# Altium PCB Copy of GameBoard_V1I1_083018.PcbDoc (part 10 of 21)
Units mil, origin at the board's own origin, x right, y up, seen from the top; angles counter-clockwise.
Board outline 7165.35 x 2763.78 mil, 12 copper layers (L1, L2, L3, L4, L5 (PWR), L6 (PWR), L7 (PWR), L8 (PWR), L9, L10, L11, L12), stack 61.575 mil thick; 1542 components, 1068 nets, 5447 pads, 3797 vias.
Unrouted connection lines stored in the file: 105.
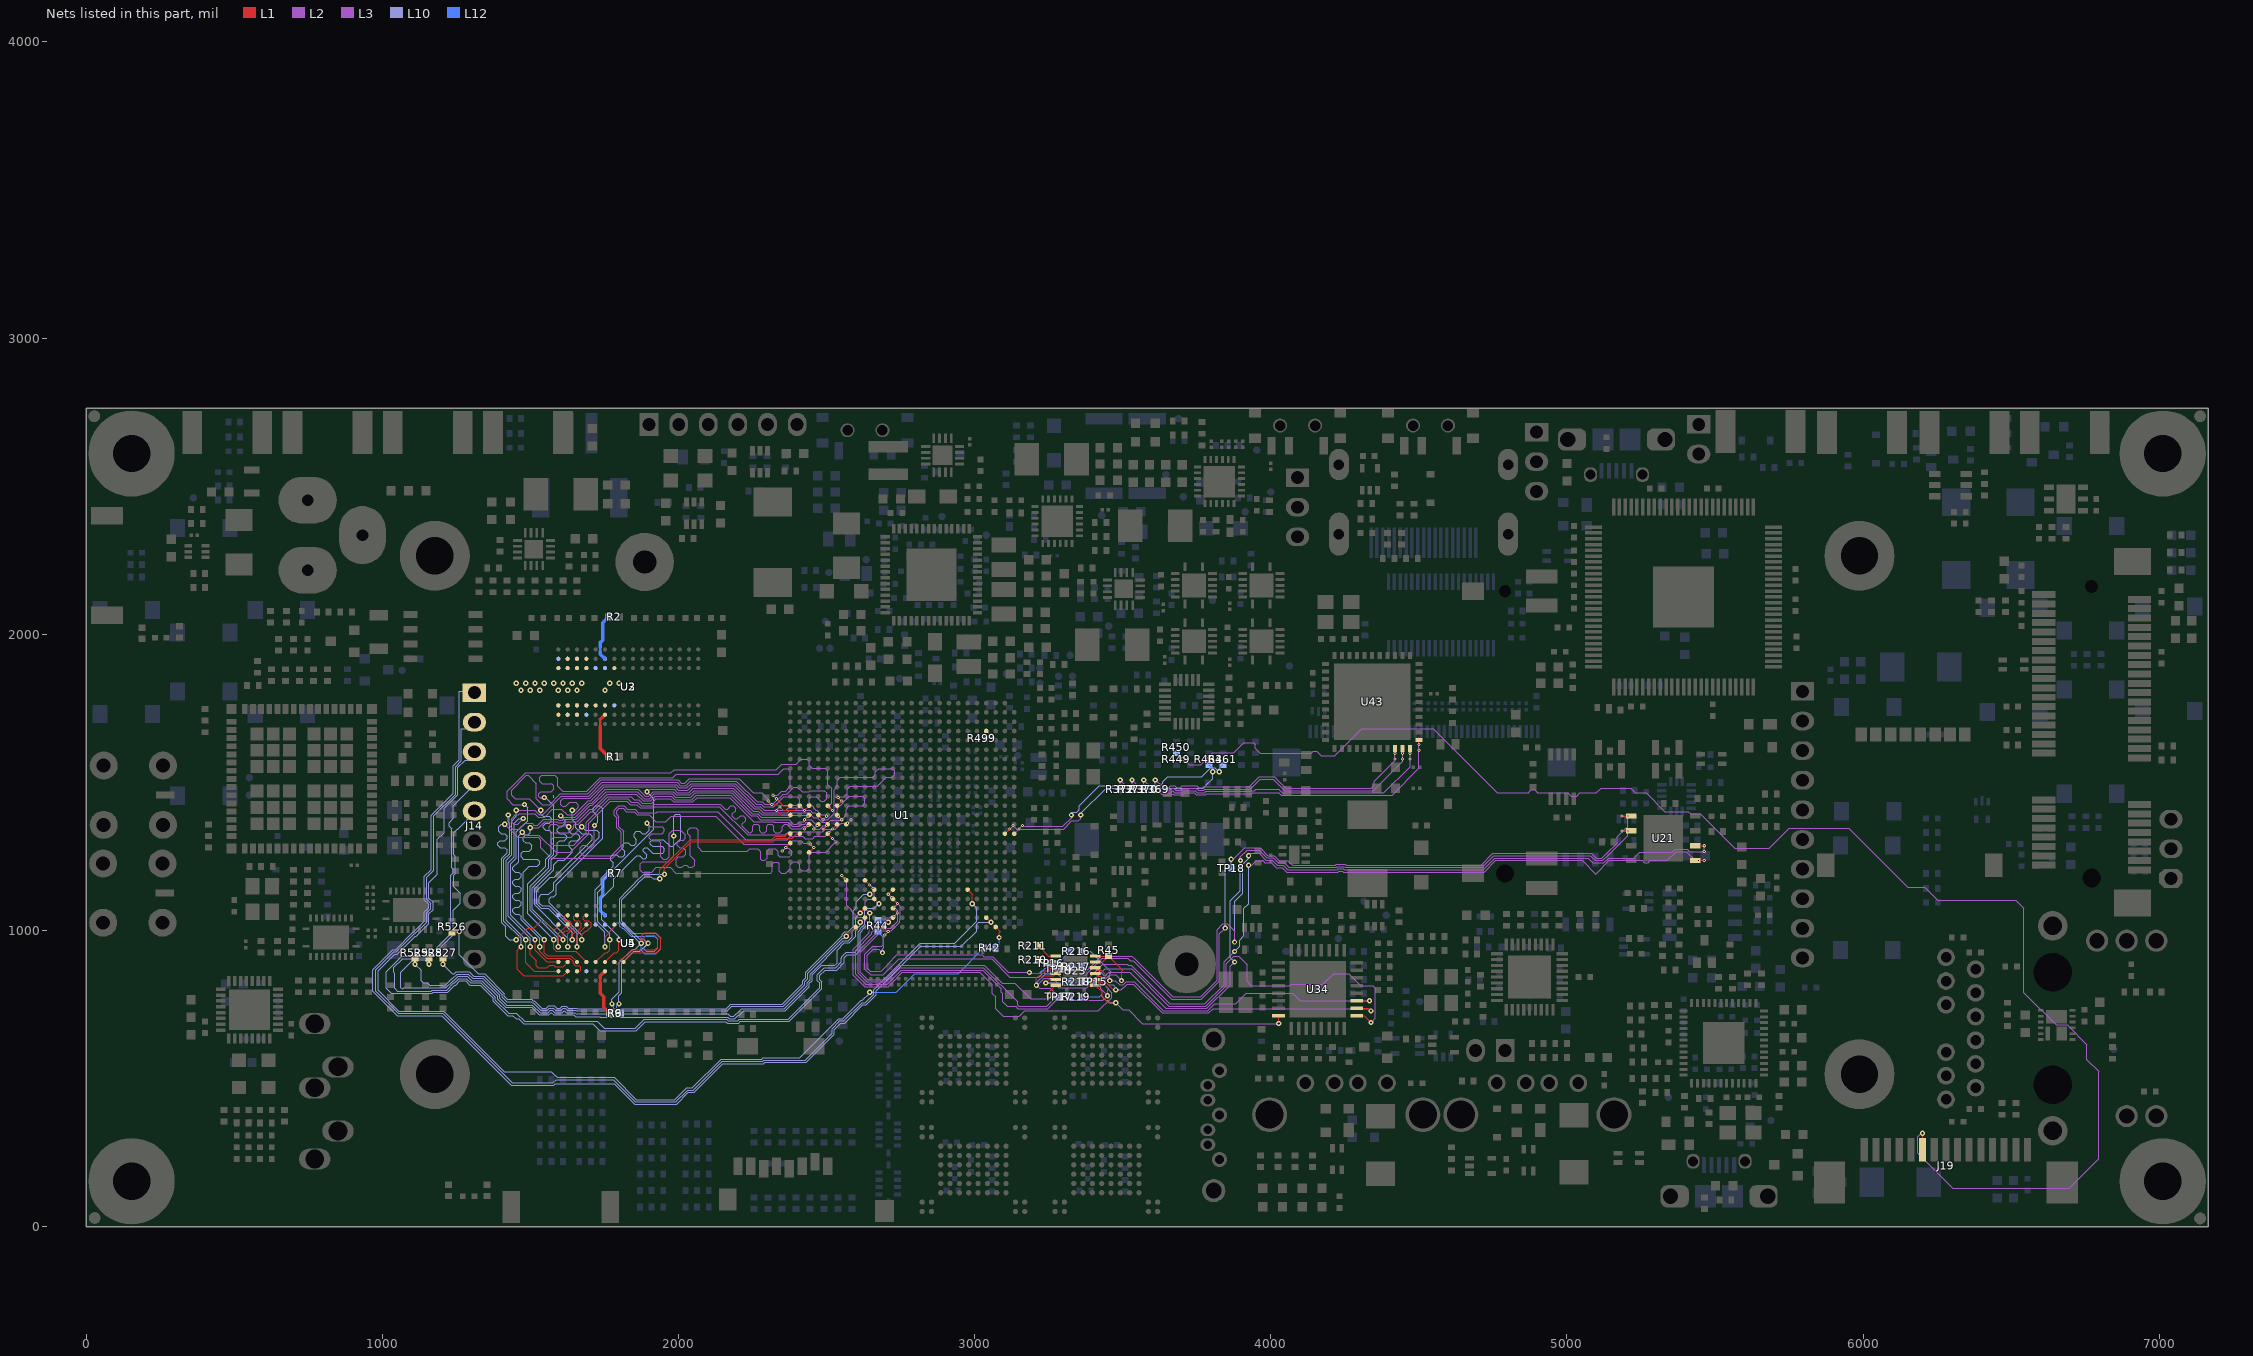
[diagram p20: the nets of this part, all layers, seen from the top]

## Via types
v1: diameter 17.72, hole 7.87, L1 to L12, 1936 vias
v2: diameter 17.72, hole 7.87, L1 to L12, tented both sides, 999 vias
v3: diameter 10.63, hole 3.94, L1 to L2, 337 vias
v4: diameter 10.63, hole 3.94, L2 to L3, 335 vias
v5: diameter 10.63, hole 3.94, L10 to L11, 96 vias
v6: diameter 10.63, hole 3.94, L11 to L12, 94 vias

## Nets (pads, with @x,y where several pads share a name; then routed paths per layer and width w, separated by ;. In a path a pad name is that pad's centre, name@x,y a point inside that pad or via, vN(x,y) a via of type N, cw(c..) or ccw(c..) an arc to the next point about the centre after c; other vN are vias at no path point) (continued)
CSI_D1_R_P: J19.6 R449.2 R450.2 | length 5121.3
  L1 w3.94: J19.6@6200.79,259.84 v1(6200.79,314.96)
  L3 w3.94: v1(3704.72,1578.74) 3724.41,1559.06 3763.78,1559.06 3804.78,1600.06 3875.65,1600.06 3909.45,1633.86 3942.14,1633.86 3947.83,1628.16 3947.83,1615.83 3965.24,1598.43 4136.6,1598.43 4143.49,1605.31 4155.72,1605.31 4170.49,1590.55 4215.86,1590.55 4306.41,1681.1 4547.92,1681.1 4764.46,1464.57 4871.06,1464.57 4871.06,1466.75 4879.71,1475.39 4891.94,1475.39 4900.59,1466.75 4900.59,1464.57 5003.42,1464.57 5014.25,1453.74 5033,1453.74 5043.83,1464.57 5099.66,1464.57 5115.41,1480.31 5215.18,1480.31 5230.93,1464.57 5267.72,1464.57 5330.71,1401.57 5409.45,1401.57 5417.32,1393.7 5449.49,1393.7 5565.85,1277.35 5682.86,1277.35 5685.04,1279.53 5750,1344.49 5951.46,1344.49 6150.28,1145.67 6208.66,1145.67 6251.97,1102.36 6515.75,1102.36 6543.31,1074.8 6543.31,789.99 6652.19,681.1 6688.98,681.1 6755.91,614.17 6755.91,563.67 6795.28,524.3 6795.28,228.35 6696.85,129.92 6303.15,129.92 6185.04,248.03 6185.04,303.15 6196.85,314.96 v1(6200.79,314.96)
  L12 w3.94: R449.2@3681.1,1598.43 3685.04,1598.43 v1(3704.72,1578.74)
CSI_GPIO0: R461.1 U1.A15 | length 845.3
  L1 w3.94: U1.A15@3133.86,1326.77 v3(3149.61,1342.52)
  L3 w3.94: v4(3161.42,1354.33) 3164.37,1351.38 3298.23,1351.38 3330.71,1383.86 3326.77,1387.8 v2(3326.77,1389.76)
  L10 w3.94: v2(3326.77,1389.76) 3326.77,1394.89 3330.5,1398.62 3344.7,1398.62 3353.35,1407.27 3353.35,1421.47 3420.07,1488.19 3625.98,1488.19 3634.84,1497.05 3634.84,1502.18 3652.35,1519.68 3767.51,1519.68 3798.02,1550.2 3811.02,1550.2 v1(3825.79,1535.43)
  L2 w3.94: v3(3149.61,1342.52) v4(3161.42,1354.33)
  L12 w3.94: v1(3825.79,1535.43) 3825.79,1546.26 R461.1@3838.58,1559.06
CSI_GPIO1: R463.1 U1.B15 | length 850.8
  L1 w3.94: U1.B15@3102.36,1326.77 v3(3118.11,1342.52)
  L3 w3.94: v4(3129.92,1354.33) 3141.73,1342.52 3300.51,1342.52 3328.06,1370.08 3350.39,1370.08 3358.27,1377.95 v2(3358.27,1389.76)
  L10 w3.94: v2(3358.27,1389.76) 3358.27,1394.89 3443.69,1480.31 3772.85,1480.31 3782.48,1489.95 3782.48,1491.14 3804.13,1512.8 v1(3804.13,1535.43)
  L2 w3.94: v3(3118.11,1342.52) v4(3129.92,1354.33)
  L12 w3.94: R463.1@3791.34,1559.06 3804.13,1546.26 v1(3804.13,1535.43)
CSI_REXT: R499.2 U1.D4 | length 46.6
  L1 w3.66: U1.D4@3039.37,1673.23 v1(3055.12,1657.48)
  L12 w3.66: R499.2@3034.06,1649.61 3041.93,1657.48 v1@3055.12,1657.48
CSPI1_CLK: J14.3 R42.2 | length 3394.1
  L10 w3.66: J14.3@1330.71,1607.09 1298.43,1574.8 1279.53,1574.8 1254.94,1550.22 1254.94,1457.44 1209.63,1412.13 1209.63,1330.71 1186.16,1307.24 1186.16,1190.1 1157.48,1161.42 1157.48,1109.1 1171.56,1095.03 1171.56,1070.32 1157.48,1056.25 1157.48,1022.99 1115.2,980.71 1111.5,980.71 1051.14,920.35 1042.46,920.35 985.74,863.63 985.74,798.4 1056.34,727.8 1207.08,727.8 1411.26,523.62 1569.87,523.62 1584.49,509 1585.49,509 1590.55,503.94 1783.28,503.94 1858.09,429.13 1988.19,429.13 2027.56,468.5 2047.24,468.5 2144.1,565.36 2281.15,565.36 2285.43,569.63 2409.51,569.63 2541.79,701.91 2554.82,701.91 2616.83,763.92 2621.31,763.92 2645.67,788.27 v1(2645.67,791.34)
  L12 w3.66: v1(2645.67,791.34) 2734.83,791.34 2797.69,854.19 2944.74,854.19 R42.2@3031.5,940.94
CSPI1_CLK_R: R42.1 U1.C25 | length 89.5
  L1 w3.66: U1.C25@3070.87,1011.81 3086.61,996.06 3082.68,992.13 v1(3082.68,976.38)
  L12 w3.66: R42.1@3070.87,933.07 R42.1@3074.8,937.01 ; R42.1@3070.87,940.94 3082.68,952.76 v1(3082.68,976.38)
CSPI1_CS0: J14.4 U1.U20 | length 3037.6
  L1 w3.66: U1.U20@2629.92,1169.29 v3(2645.67,1153.54)
  L3 w3.94: v2(2645.67,1059.06) 2630.91,1073.82 2630.91,1096.67 2639.55,1105.31 2652.56,1105.31 2661.42,1114.17 2661.42,1137.8 v4(2657.48,1141.73)
  L10 w3.94: J14.4@1311.02,1503.15 1311.02,1491.45 1240.16,1420.58 1240.16,1379.15 1225.39,1364.38 1225.39,1352.15 1230.96,1346.58 1233.84,1343.71 1233.84,1212.24 1239.17,1206.9 1239.17,1194.67 1231.46,1186.96 1231.46,989.09 1158.43,916.06 1097.71,916.06 1094.26,912.61 1065.48,912.61 1012.8,859.93 1012.8,805.43 1030.82,787.4 1167.97,787.4 1171.49,790.93 1192.65,790.93 1192.93,790.65 1221.01,790.65 1245.32,814.96 1247.51,814.96 1262.28,829.72 1281.03,829.72 1295.79,814.96 1330.03,814.96 1374.13,770.86 1374.13,761.5 1423.03,712.6 1440.53,712.6 1451.67,701.46 1460.63,701.46 1477.05,685.04 1710.69,685.04 1734.31,661.42 1857.75,661.42 1887.99,691.65 2160.35,691.65 2165.43,686.57 2203,686.57 2209.34,692.91 2374.02,692.91 2470.75,789.64 2470.75,789.77 2484.25,803.28 2484.25,827.29 2477.36,834.18 2477.36,848.64 2495.01,866.28 2534.03,866.28 2560.04,892.29 2560.04,907.69 2570.66,918.31 2598.73,918.31 2614.17,933.75 2614.17,991.87 2621.36,999.05 2621.36,1003.25 2623.03,1004.92 2623.55,1004.92 2645.67,1027.04 v2(2645.67,1059.06)
  L2 w3.94: v3(2645.67,1153.54) v4(2657.48,1141.73)
CSPI1_CS1: J14.5 U1.T22 | length 2845.3
  L1 w3.94: U1.T22@2661.42,1106.3 v2(2677.17,1090.55)
  L10 w3.94: J14.5@1311.02,1403.15 1311.02,1397.64 1254.92,1341.54 1253.73,1341.54 1241.71,1329.52 1241.71,1256 1247.05,1250.67 1247.05,1191.41 1241.71,1186.08 1241.71,1147.07 1262.8,1125.98 1262.8,1092.31 1239.33,1068.85 1239.33,985.83 1161.69,908.19 1100.97,908.19 1097.52,904.74 1068.74,904.74 1039.37,875.37 1039.37,859.46 1042.32,856.51 1042.32,804.13 1051.18,795.28 1164.7,795.28 1168.23,798.8 1195.91,798.8 1196.19,798.52 1217.75,798.52 1242.06,822.83 1244.25,822.83 1259.02,837.6 1284.29,837.6 1299.06,822.83 1333.29,822.83 1382.01,774.12 1382.01,764.76 1426.3,720.47 1452.76,720.47 1480.32,692.91 1725.09,692.91 1748.71,669.29 1854.49,669.29 1884.72,699.53 2163.61,699.53 2168.69,694.45 2199.74,694.45 2206.08,700.79 2370.08,700.79 2476.38,807.09 2476.38,822.83 2468.5,830.71 2468.5,850.91 2491.75,874.15 2530.76,874.15 2550.2,893.59 2550.2,905.51 2552.17,907.48 2552.17,910.95 2567.39,926.18 2595.47,926.18 2606.3,937.01 2606.3,995.13 2613.48,1002.31 2613.48,1006.51 2619.77,1012.8 2620.29,1012.8 2628.94,1021.44 2628.94,1065.95 2637.8,1074.8 2661.42,1074.8 v2(2677.17,1090.55) ; J14.5@1318.9,1395.28 J14.5@1330.71,1407.09
CSPI1_MISO: J14.2 U1.F21 | length 3681.1
  L1 w3.66: U1.F21@2976.38,1137.8 2992.13,1122.05 v2(2992.13,1090.55)
  L10 w3.66: J14.2@1330.71,1707.09 1304.72,1681.1 1267.3,1681.1 1267.3,1573.32 1247.34,1553.36 1247.34,1460.59 1173.23,1386.48 1173.23,1202.46 1149.88,1179.11 1149.88,1105.96 1163.96,1091.88 1163.96,1073.47 1149.88,1059.4 1149.88,1028.17 1110.02,988.31 1108.35,988.31 1047.99,927.95 1039.31,927.95 978.14,866.77 978.14,795.25 1053.2,720.2 1203.93,720.2 1438.76,485.37 1575.99,485.37 1586.96,496.34 1780.14,496.34 1854.94,421.54 1991.34,421.54 2030.71,460.91 2050.39,460.91 2147.25,557.76 2284.3,557.76 2288.57,562.03 2428.18,562.03 2518.68,652.54 2518.68,668.06 2544.93,694.31 2557.97,694.31 2619.98,756.32 2631.33,756.32 2660.3,785.28 2660.3,797.4 2659.95,797.74 2659.95,799.55 2817.09,956.69 2933.07,956.69 3007.87,1031.5 3007.87,1074.8 v2(2992.13,1090.55)
CSPI1_MOSI: J14.1 U1.D24 | length 3779.2
  L1 w3.66: U1.D24@3039.37,1043.31 v2(3055.12,1027.56)
  L10 w3.66: J14.1@1330.71,1807.09 1259.7,1807.09 1259.7,1576.47 1239.74,1556.51 1239.74,1463.74 1165.22,1389.21 1165.22,1205.19 1142.28,1182.26 1142.28,1101.75 1146.73,1097.3 1147.79,1097.3 1156.36,1088.74 1156.36,1076.62 1147.79,1068.05 1146.73,1068.05 1142.28,1063.6 1142.28,1031.32 1106.87,995.91 1105.21,995.91 1044.84,935.54 1036.17,935.54 968.5,867.88 968.5,794.14 1050.05,712.6 1200.79,712.6 1435.61,477.78 1579.14,477.78 1584.49,483.13 1592.09,483.13 1782.6,483.13 1851.79,413.94 1994.48,413.94 2033.85,453.31 2053.54,453.31 2150.39,550.16 2287.45,550.16 2291.72,554.44 2431.32,554.44 2526.28,649.39 2526.28,664.91 2548.08,686.71 2561.12,686.71 2623.13,748.72 2634.48,748.72 2667.89,782.13 2667.89,796.75 2817.4,946.26 2955.63,946.26 3007.46,998.09 3007.46,1020.34 3014.68,1027.56 v2(3055.12,1027.56)
CSPI2_RXD: R529.1 U1.U23 | length 1886.8
  L1 w3.66: v2(2614.17,1059.06) U1.U23@2629.92,1074.8
  L1 w3.94: v1(1110.24,885.83) R529.1@1110.24,909.45
  L10 w3.66: v1(1110.24,885.83) 1131.04,865.02 1131.04,830.71 1137.8,823.96 1151.32,823.96 1161.42,813.86 1161.6,813.86 1161.88,814.13 1202.26,814.13 1202.54,813.86 1211.4,813.86 1235.71,838.17 1237.9,838.17 1252.66,852.93 1290.64,852.93 1305.41,838.17 1339.65,838.17 1397.34,780.47 1397.34,771.11 1420.7,747.76 1507.08,747.76 1532.69,722.15 1559.6,722.15 1567.72,730.27 1574.01,730.27 1582.14,722.15 1606.84,722.15 1614.17,729.48 1621.51,722.15 1650.24,722.15 1654.45,717.93 2166.89,717.93 2175.04,709.78 2187.16,709.78 2195.73,718.35 2195.73,719.37 2196.75,719.37 2213.32,735.94 2356.93,735.94 2434.47,813.49 2434.47,824.17 2444.43,834.13 2444.43,852.82 2557.31,965.69 2572.99,965.69 2586.61,979.32 2586.61,997.13 2598.15,1008.66 2598.15,1043.03 v2(2614.17,1059.06)
CSPI2_TXC: R526.1 U1.T21 | length 1827.8
  L1 w3.66: v2(2645.67,1122.05) U1.T21@2661.42,1137.8
  L1 w3.94: R526.1@1236.22,996.06 v1(1259.84,996.06)
  L10 w3.66: v1(1259.84,996.06) 1259.84,917.38 1323.86,853.37 1345.94,853.37 1412.54,786.77 1412.54,777.41 1422.23,767.72 1503.94,767.72 1508.7,762.95 1513.38,762.95 1538.99,737.34 1553.3,737.34 1561.42,745.46 1580.31,745.46 1588.43,737.34 1600.55,737.34 1607.88,744.67 1620.47,744.67 1627.8,737.34 1656.53,737.34 1657.93,735.94 2161.21,735.94 2176.4,751.14 2350.63,751.14 2419.27,819.78 2419.27,830.46 2429.24,840.43 2429.24,859.11 2552.3,982.18 2552.3,986.37 2560.87,994.94 2573.68,994.94 2590.55,1011.81 2590.55,1066.93 2599.55,1075.93 2599.55,1096.61 2624.99,1122.05 v2(2645.67,1122.05)
CSPI2_TXD: R528.1 U1.U24 | length 2053.6
  L1 w3.66: v2(2614.17,1027.56) U1.U24@2629.92,1043.31
  L1 w3.94: v1(1157.48,885.83) R528.1@1157.48,909.45
  L10 w3.66: v1(1157.48,885.83) 1142.85,900.45 1104.18,900.45 1062.99,859.27 1062.99,807.09 1067.07,803.01 1069.21,803.01 1072.46,806.26 1164.75,806.26 1165.02,806.54 1199.12,806.54 1199.39,806.26 1214.54,806.26 1238.86,830.57 1241.05,830.57 1255.81,845.33 1287.5,845.33 1302.26,830.57 1336.5,830.57 1389.74,777.33 1389.74,767.96 1417.55,740.16 1503.94,740.16 1529.55,714.55 1562.74,714.55 1570.87,722.67 1578.99,714.55 1647.09,714.55 1652.44,709.2 1734.14,709.2 1735.8,707.54 2166.54,707.54 2171.9,702.18 2190.31,702.18 2201.27,713.15 2205.28,713.15 2220.47,728.35 2360.07,728.35 2442.07,810.34 2442.07,821.02 2452.03,830.98 2452.03,849.67 2484.25,881.89 2527.56,881.89 2535.43,889.76 2535.43,933.07 2560.45,958.09 2576.13,958.09 2598.56,980.52 2598.56,998.33 2605.75,1005.52 2605.75,1009.71 2614.17,1018.14 v2(2614.17,1027.56)
CSPI2_TXFS: R527.1 U1.V25 | length 1641.8
  L1 w3.66: v2(2566.93,980.31) U1.V25@2598.43,1011.81
  L1 w3.94: v1(1204.72,885.83) R527.1@1204.72,909.45
  L10 w3.66: v1(1204.72,885.83) 1236.22,854.33 1243.32,854.33 1249.52,860.53 1293.79,860.53 1308.55,845.77 1342.79,845.77 1404.94,783.62 1404.94,774.26 1419.63,759.57 1501.34,759.57 1505.55,755.35 1510.23,755.35 1535.84,729.74 1556.45,729.74 1564.57,737.87 1577.16,737.87 1585.28,729.74 1603.69,729.74 1611.03,737.08 1617.32,737.08 1624.65,729.74 1653.39,729.74 1654.78,728.35 2166.48,728.35 2166.48,730.47 2179.55,743.54 2353.78,743.54 2426.87,816.63 2426.87,827.31 2436.83,837.28 2436.83,855.96 2554.16,973.29 2559.9,973.29 v2(2566.93,980.31)
CSPI3_1DIR: R211.1 U23.2 | length 72.5
  L1 w3.94: R211.1@3216.54,948.82 3216.54,947.62 3250.77,913.39 U23.2@3273.62,913.39
CSPI3_2DIR: R210.1 U23.3 | length 60.3
  L1 w3.94: R210.1@3216.54,901.57 3224.41,893.7 U23.3@3273.62,893.7
CSPI3_CLK: R44.2 R216.2 TP16.1 U21.6 U23.4 | length 4060.9
  L1 w3.66: v1(3185.04,858.27) 3187.85,855.45 3233.41,855.45 3251.97,874.02 U23.4@3273.62,874.02
  L1 w3.94: U21.6@5433.07,1286.22 v3(5463.58,1286.22)
  L3 w3.66: v2(2688.98,925.2) 2677.17,937.01 2658.52,937.01 2637.66,916.14 2637.66,871.67 2647.12,862.2 2684.96,862.2 2707.93,885.17 2707.93,888.16 2737.09,917.32 3026.14,917.32 3031.63,911.83 3060.64,911.83 3114.21,858.27 v1(3185.04,858.27) 3187.85,855.45 3218.66,855.45 3227.22,864.02 3306.09,864.02 3311.02,868.96 3383.36,868.96 3428.07,913.66 3531.22,913.66 3538.96,905.93 3669.29,775.59 3762.91,775.59 3818.9,831.58 3818.9,1002.81 3838.58,1022.5 3852.51,1022.5 3877.95,997.06 v1(3877.95,960.63)
  L3 w3.94: v1(3925.2,1251.97) 3925.2,1259.84 3960.75,1259.84 3983.38,1237.2 4004.85,1237.2 4021.72,1220.33 4041.9,1220.33 4057.51,1204.72 4223.89,1204.72 4226.84,1207.68 4245.6,1207.68 4248.55,1204.72 4717.21,1204.72 4756.58,1244.09 5071.2,1244.09 5086.95,1228.35 5124.69,1228.35 5140.44,1244.09 5226.32,1244.09 5246,1263.78 5355.01,1263.78 5365.64,1274.41 5406.02,1274.41 5413.89,1266.54 v4(5463.58,1266.54)
  L10 w3.66: v1(3877.95,960.63) 3877.95,1098.43 3905.37,1125.85 3905.37,1223.27 3925.2,1243.1 v1(3925.2,1251.97)
  L2 w3.94: v4(5463.58,1266.54) v3(5463.58,1286.22)
  L12 w3.66: R44.2@2673.23,996.06 2694.04,975.26 2694.04,942.07 2688.98,937.01 v2(2688.98,925.2) ; v1(3185.04,858.27) 3187.85,855.45 3221.59,855.45 3265.75,899.61 3293.31,899.61 R216.2@3322.83,929.13
CSPI3_CLK_R: R44.1 U1.P24 | length 61
  L1 w3.94: v2(2708.66,1027.56) U1.P24@2724.41,1043.31
  L12 w3.94: R44.1@2673.23,1035.43 2700.79,1035.43 v2(2708.66,1027.56)
CSPI3_CS0: R219.2 TP17.1 U1.P21 U23.7 | length 1224
  L1 w3.66: v3(2708.66,1122.05) U1.P21@2724.41,1137.8 ; v1(3251.97,779.53) 3251.97,793.31 U23.7@3273.62,814.96
  L3 w3.94: v4(2720.47,1110.24) 2748.62,1082.09 2748.62,1037.14 2748.03,1036.55 2748.03,1027.56 2718.84,998.37 2686.67,998.37 2614.17,925.87 2614.17,858.22 2638.43,833.96 2698.46,833.96 2746.53,882.03 3033.23,882.03 3093.41,821.85 3136.04,821.85 3189.19,768.7 3241.14,768.7 v1(3251.97,779.53) v1@3246.84,779.53
  L2 w3.94: v3(2708.66,1122.05) v4(2720.47,1110.24)
  L12 w3.94: v1@3255.91,775.59 v1(3251.97,779.53) 3318.9,779.53 R219.2@3322.83,775.59
CSPI3_CS2: TP18.1 U1.R25 U21.1 | length 3585.3
  L1 w3.66: U1.R25@2692.91,1011.81 v3(2708.66,996.06)
  L1 w3.94: v3(5186.02,1386.22) U21.1@5216.54,1386.22
  L3 w3.94: v4(2696.85,984.25) 2691.93,979.33 2691.93,951.77 2686.02,945.87 2656.44,945.87 2629.92,919.35 2629.92,868.46 2648.68,849.7 2691.93,849.7 2746.32,904.09 3057.44,904.09 3119.01,842.52 3216.66,842.52 3230.43,856.28 3277.57,856.28 3299.21,834.65 3359.99,834.65 3431.27,905.93 3517.08,905.93 3524.81,898.19 3535.75,898.19 3666.09,767.85 3766.11,767.85 3826.63,828.37 3826.63,988.05 v1(3846.46,1007.87) ; v1(3866.14,1240.16) 3873.5,1240.16 3911.88,1278.54 3964.32,1278.54 3989.91,1252.95 4011.37,1252.95 4028.24,1236.08 4058,1236.08 4073.61,1220.47 4217.37,1220.47 4220.32,1223.43 4252.12,1223.43 4255.07,1220.47 4710.69,1220.47 4750.06,1259.84 5082.68,1259.84 5098.43,1244.09 5118.17,1244.09 5133.92,1259.84 5134.53,1259.84 5169.29,1294.6 5169.29,1315.67 5201.06,1347.44 5205.03,1347.44 5205.71,1348.12 v4(5205.71,1386.22)
  L10 w3.94: v1(3846.46,1007.87) 3846.46,1204.72 3866.14,1224.41 v1(3866.14,1240.16)
  L2 w3.94: v4(2696.85,984.25) v3(2708.66,996.06) ; v3(5186.02,1386.22) v4(5205.71,1386.22)
  L12 w3.94: TP18.1@3866.14,1210.33 v1(3866.14,1240.16)
CSPI3_MCU_CLK: R216.1 U23.13 U34.19 | length 1233.9
  L1 w3.66: U23.13@3407.48,874.02 3415.89,865.61 3427.59,865.61 3456.69,836.5 v1(3456.69,830.71) ; U34.19@4290.35,762.8 v1(4333.66,762.8)
  L3 w3.66: v1(3456.69,830.71) 3475.38,830.71 3490,816.08 3502.12,816.08 3512.53,826.5 3539.09,826.5 3636.69,728.9 3787.33,728.9 3810.68,752.24 3881.1,752.24 3917.38,788.52 4073.68,788.52 4099.41,762.8 v1(4333.66,762.8)
  L12 w3.66: R216.1@3362.2,929.13 3389.76,929.13 3460.63,858.27 3456.69,854.33 v1(3456.69,830.71)
CSPI3_MCU_CS0: R219.1 U23.10 U34.8 | length 841.5
  L1 w3.66: U23.10@3407.48,814.96 3430.26,792.19 3430.26,777.41 3451.76,755.91 v1(3476.38,755.91) ; v1(4026.57,686.02) U34.8@4026.57,711.61
  L3 w3.94: v1(3476.38,755.91) 3500,732.28 3519.69,732.28 3566.79,685.18 4025.73,685.18 v1(4026.57,686.02)
  L12 w3.94: R219.1@3362.2,775.59 3421.26,775.59 3429.13,783.46 3430.12,782.48 3430.12,777.35 3442.7,764.76 3447.83,764.76 3458.39,754.21 3461.08,756.9 3462.08,755.91 v1(3476.38,755.91)
CSPI3_MCU_ENn: R45.1 U1.W20 U23.14 U23.15 | length 1809.1
  L1 w3.66: v3(2551.18,1185.04) U1.W20@2566.93,1169.29 ; U23.14@3407.48,893.7 3433.07,893.7 R45.1@3452.76,913.39 ; U23.15@3407.48,913.39 R45.1@3452.76,913.39 ; v1(3496.06,830.71) 3496.06,862.2 3500,866.14 R45.1@3452.76,913.39
  L3 w3.66: v4(2562.99,1173.23) 2568.05,1168.17 2568.05,1084.62 2568.05,1084.49 2583.41,1069.14 2583.41,1066.28 2605.25,1044.43 2620.85,1044.43 2644.94,1020.34 2644.94,991.4 2590.55,937.01 2590.55,848.63 2628.7,810.47 2708.47,810.47 2721.2,823.2 2721.2,823.49 2756.26,858.54 3018.11,858.54 3060.18,816.48 3060.18,786.28 3070.87,775.59 3070.87,736.22 3097.3,709.78 3150.73,709.78 3169.29,728.35 3418.32,728.35 3463.44,773.47 3463.44,789.52 3442.07,810.9 3442.07,836.77 3450.63,845.33 3450.76,845.33 3455.7,850.27 3476.5,850.27 v1(3496.06,830.71)
  L2 w3.94: v3(2551.18,1185.04) v4(2562.99,1173.23)
CSPI3_MCU_MISO: R218.1 U23.6 U34.17 | length 1727.3
  L1 w3.66: v1(3240.16,822.83) 3251.97,834.65 U23.6@3273.62,834.65 ; U34.17@4290.35,711.61 4315.95,711.61 v1(4338.58,688.98)
  L3 w3.66: v1(3240.16,822.83) 3269.26,822.83 3284.87,807.22 3378.09,807.22 3440.94,870.08 3530.65,870.08 3656.36,744.37 3780.92,744.37 3850.12,813.56 3850.12,888.08 3874.3,912.26 3891.88,912.26 3920.14,884.01 3920.14,827.89 3934.06,813.98 4064.95,813.98 4068.74,817.78 4176.04,817.78 4212.6,854.33 4263.78,854.33 4304.27,813.84 4344.64,813.84 4353.21,805.27 4353.21,703.6 v1(4338.58,688.98)
  L12 w3.66: v1(3240.16,822.83) 3311.02,822.83 3314.96,818.9 R218.1@3322.83,826.77
CSPI3_MCU_MOSI: R217.1 U23.12 U34.18 | length 1229
  L1 w3.66: U23.12@3407.48,854.33 3415.89,845.93 3427.59,845.93 3442.07,831.44 3442.07,824.65 3467.5,799.21 v1(3476.38,799.21) ; U34.18@4290.35,737.2 4329.72,737.2 v1(4338.58,728.35)
  L3 w3.66: v1(3476.38,799.21) 3496,799.21 3515.68,818.9 3535.95,818.9 3633.55,721.3 3790.48,721.3 3805.4,736.22 4330.71,736.22 v1(4338.58,728.35)
  L12 w3.66: R217.1@3362.2,877.95 3405.51,877.95 3442.07,841.4 3442.07,824.65 3450.63,816.08 3467.38,816.08 3476.38,807.09 v1(3476.38,799.21)
CSPI3_MISO: R218.2 TP15.1 U1.P23 U21.2 U23.11 | length 4002.2
  L1 w3.66: U1.P23@2724.41,1074.8 v3(2740.16,1059.06) ; U23.11@3407.48,834.65 3415.89,826.24 3427.59,826.24 3448.82,805.01 v1(3448.82,779.53)
  L1 w3.94: v3(5186.02,1336.22) U21.2@5216.54,1336.22
  L3 w3.94: v4(2728.35,1047.24) 2717.73,1047.24 2712.81,1042.32 2702.55,1042.32 2653.54,993.32 2653.54,988.19 2598.29,932.93 2598.29,851.83 2631.91,818.21 2705.27,818.21 2713.46,826.4 2713.46,826.69 2753.05,866.28 3026.71,866.28 3089.84,803.15 3089.84,792.01 3094.49,787.36 3094.49,759.84 3110.24,744.09 3138.47,744.09 3146.34,736.22 3246.85,736.22 3275.4,764.76 3367.13,764.76 3368.11,763.78 3433.07,763.78 v1(3448.82,779.53) 3425.2,803.15 3425.2,830.84 3447.43,853.07 3447.56,853.07 3452.76,858.27 3523.62,858.27 3645.26,736.63 3784.13,736.63 3863.19,815.69 3863.19,878.94 v1(3877.95,893.7) ; v1(3897.64,1236.22) 3897.64,1248.03 3920.28,1270.67 3961.05,1270.67 3986.65,1245.08 4008.11,1245.08 4024.98,1228.21 4045.16,1228.21 4060.77,1212.6 4220.63,1212.6 4223.58,1215.55 4248.86,1215.55 4251.81,1212.6 4713.95,1212.6 4753.32,1251.97 5079.42,1251.97 5095.16,1236.22 5121.43,1236.22 5137.18,1251.97 5137.8,1251.97 5205.71,1319.88 v4(5205.71,1336.22)
  L10 w3.94: v1(3877.95,893.7) 3863.19,908.46 3863.19,1100.09 3897.64,1134.53 v1(3897.64,1236.22)
  L2 w3.94: v4(2728.35,1047.24) v3(2740.16,1059.06) ; v3(5186.02,1336.22) v4(5205.71,1336.22)
  L12 w3.94: R218.2@3362.2,826.77 TP15.1@3401.57,826.77 3429.13,826.77 3434.33,821.57 3434.33,821.45 3447.43,808.35 3447.56,808.35 3448.82,807.09 v1(3448.82,779.53)
CSPI3_MOSI: R217.2 TP14.1 U1.P22 U21.5 U23.5 | length 4321.5
  L1 w3.66: U1.P22@2724.41,1106.3 v3(2740.16,1090.55) ; v1(3208.66,814.96) 3208.66,840.13 3216.39,847.85 3267.15,847.85 U23.5@3273.62,854.33
  L1 w3.94: U21.5@5433.07,1236.22 v3(5463.58,1236.22)
  L3 w3.94: v4(2728.35,1078.74) 2740.16,1066.93 2740.16,1030.82 2717.21,1007.87 2685.04,1007.87 2606.3,929.13 2606.3,854.95 2635.17,826.08 2701.72,826.08 2749.79,874.15 3029.97,874.15 3145.47,758.65 3145.47,748.23 3149.61,744.09 3243.59,744.09 3268.51,769.01 3268.51,791.34 3255.71,804.13 3219.49,804.13 v1@3211.4,812.22 ; v1(3208.66,814.96) v1@3211.4,812.22 ; v1(3877.95,929.13) 3842.38,893.56 3842.38,816.77 3777.72,752.11 3659.56,752.11 3529.23,882.44 3518.29,882.44 3514.9,885.83 3433.45,885.83 3362.58,814.96 3288.08,814.96 3264.59,838.44 3234.89,838.44 3211.4,814.96 v1@3211.4,812.22 ; v1(3925.2,1220.47) 3935.81,1220.47 3950.58,1235.24 3972.25,1235.24 3973.23,1236.22 3980.12,1229.33 4001.59,1229.33 4018.46,1212.46 4038.64,1212.46 4054.25,1196.85 4227.15,1196.85 4230.11,1199.8 4242.34,1199.8 4245.29,1196.85 4720.47,1196.85 4759.84,1236.22 5051.18,1236.22 5097.44,1189.96 5143.7,1236.22 5254.71,1236.22 5261.6,1229.33 5273.83,1229.33 5280.72,1236.22 5338.58,1236.22 5368.9,1266.54 5402.76,1266.54 5433.07,1236.22 v4(5443.9,1236.22)